# Altium PCB FIT_TDC_ADC.PcbDoc (part 1 of 10) (continued)
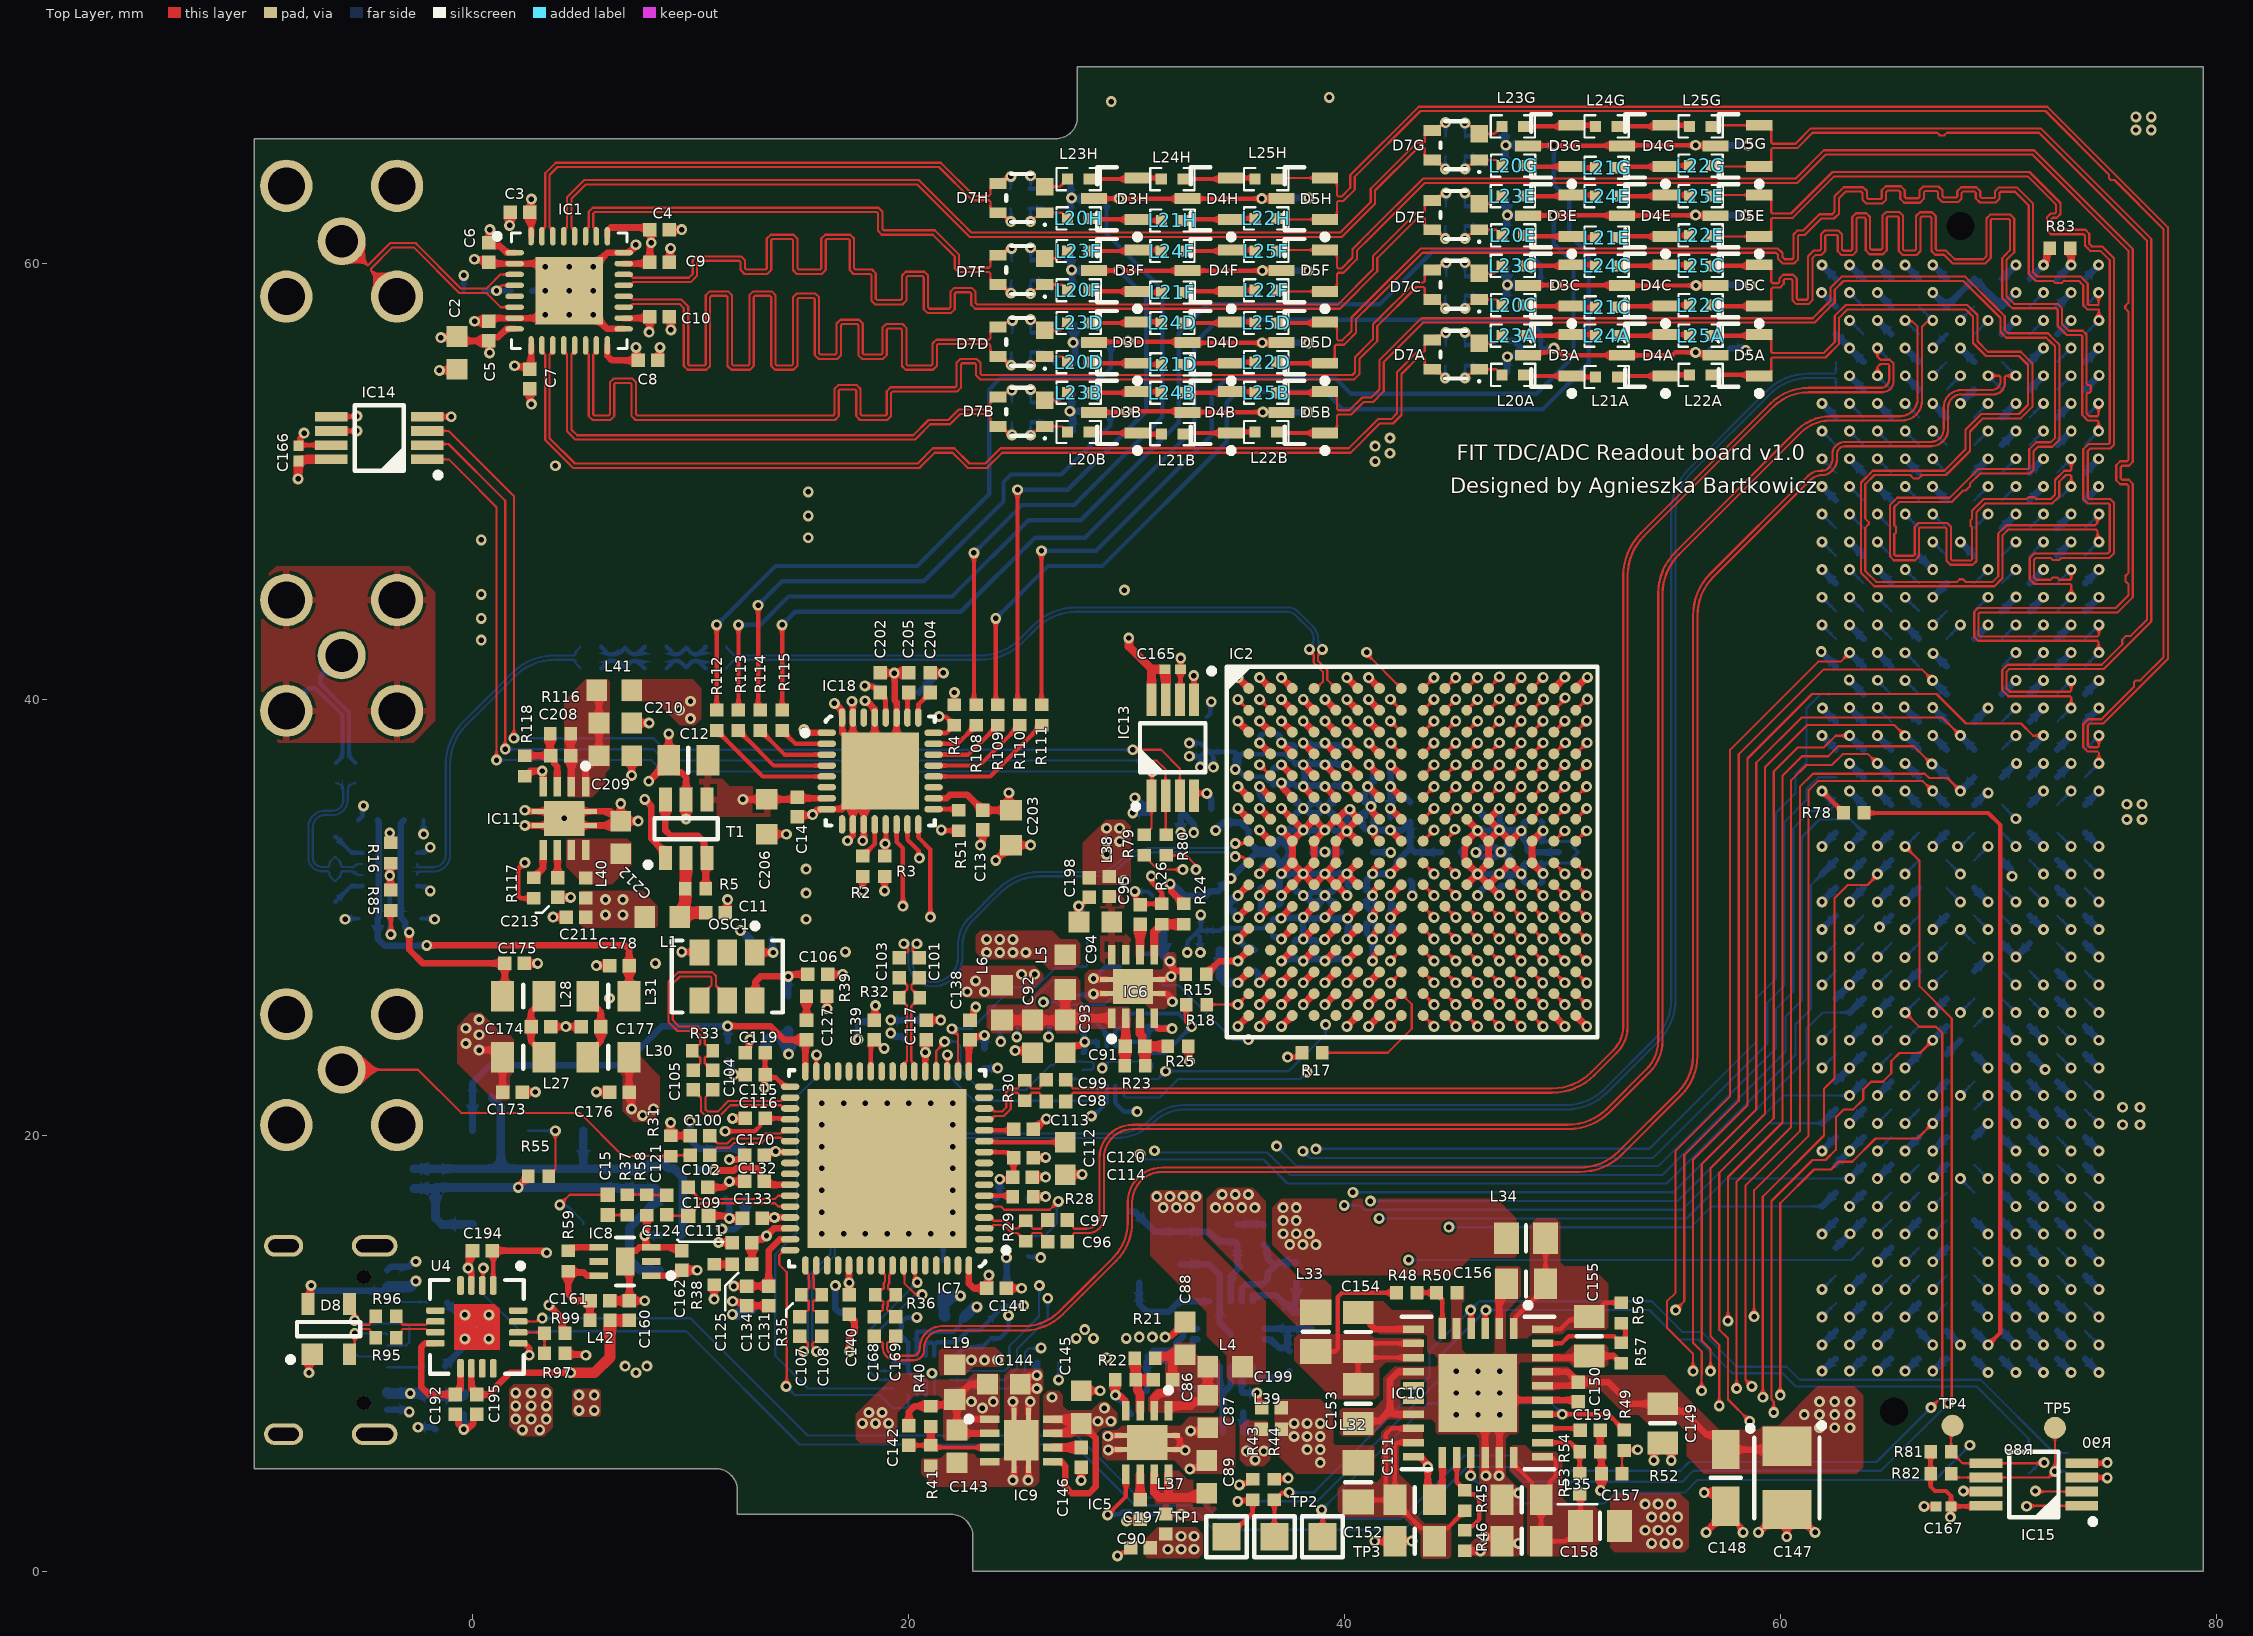
[diagram p0: Top Layer view]
## Components (designator, comment, footprint, x,y, rotation, side; value= is the part's Value field where it differs from the comment)
C1 "10nF" CAPC1005X55N 0.05,58.729 r180 bottom
C2 "10uF" CAPC1608X90N -0.715,55.874 r90 top
C3 "1uF" CAPC1005X55N 2.185,62.324 r0 top
C4 "100nF" CAPC1005X55N 8.585,61.524 r180 top
C5 "100nF" CAPC1005X55N 0.735,56.874 r270 top
C6 "100nF" CAPC1005X55N 0.735,60.474 r90 top
C7 "100nF" CAPC1005X55N 2.635,54.674 r90 top
C8 "100nF" CAPC1005X55N 8.05,55.529 r180 top
C9 "100nF" CAPC1005X55N 8.585,60.024 r180 top
C10 "100nF" CAPC1005X55N 8.585,57.524 r180 top
C11 "1uF" CAPC1005X55N 11.15,30.2 r180 top
C12 "22uF" CAPC2012X135N 9.9,37.2 r0 top
C13 "100nF" CAPC1005X55N 23.4,34.45 r90 top
C14 "100nF" CAPC1005X55N 14.9,35.05 r90 top
C15 "33pF" CAPC1005X61N 6.2,16.8 r270 top
C16 "10pF" CAPC1005X55N 7,41.9 r270 bottom
C17 "10pF" CAPC1005X55N 9.8,41.9 r270 bottom
C18 "100nF" CAPC1005X55N -2.795,29.936 r180 bottom
C19 "10nF" CAPC1005X55N -2.695,34.436 r180 bottom
C20 "100nF" CAPC0603X33N 36.57,38.369 r180 bottom
C21 "3.9nF" CAPC1005X55N 37.485,9.624 r270 bottom
C22 "10uF" CAPC1608X90N 32.485,14.824 r90 bottom
C23 "10uF" CAPC1608X90N 33.785,14.824 r90 bottom
C24 "10uF" CAPC1608X90N 31.685,8.374 r0 bottom
C25 "100nF" CAPC1005X55N 37.485,11.574 r90 bottom
C26 "10uF" CAPC1608X90N 32.435,29.274 r0 bottom
C27 "10uF" CAPC1608X90N 33.685,38.424 r270 bottom
C28 "1uF" CAPC1005X55N 34.985,38.024 r270 bottom
C29 "1uF" CAPC1005X55N 34.285,28.924 r90 bottom
C30 "100nF" CAPC0603X33N 39.72,28.519 r90 bottom
C31 "100nF" CAPC0603X33N 40.47,35.569 r180 bottom
C32 "100nF" CAPC0603X33N 38.62,37.419 r270 bottom
C33 "100nF" CAPC0603X33N 38.72,28.519 r90 bottom
C34 "100nF" CAPC0603X33N 36.72,29.519 r90 bottom
C35 "100nF" CAPC0603X33N 39.52,35.719 r90 bottom
C36 "100nF" CAPC0603X33N 37.72,28.519 r90 bottom
C37 "100nF" CAPC0603X33N 39.62,37.419 r270 bottom
C38 "100nF" CAPC0603X33N 40.57,29.569 r180 bottom
C39 "100nF" CAPC0603X33N 38.62,35.719 r90 bottom
C40 "100nF" CAPC0603X33N 37.72,37.419 r270 bottom
C41 "100nF" CAPC0603X33N 38.62,30.219 r270 bottom
C42 "100nF" CAPC0603X33N 39.52,30.219 r270 bottom
C43 "100nF" CAPC0603X33N 36.72,36.419 r270 bottom
C44 "100nF" CAPC0603X33N 37.72,35.719 r90 bottom
C45 "100nF" CAPC0603X33N 36.62,30.569 r0 bottom
C46 "100nF" CAPC0603X33N 39.52,34.319 r270 bottom
C47 "100nF" CAPC0603X33N 36.67,33.569 r0 bottom
C48 "100nF" CAPC0603X33N 40.47,34.569 r180 bottom
C49 "100nF" CAPC0603X33N 38.62,34.319 r270 bottom
C50 "100nF" CAPC0603X33N 36.67,34.369 r0 bottom
C51 "100nF" CAPC0603X33N 36.67,35.369 r0 bottom
C52 "100nF" CAPC0603X33N 37.72,34.319 r270 bottom
C53 "100nF" CAPC0603X33N 40.57,31.369 r180 bottom
C54 "100nF" CAPC0603X33N 39.52,31.619 r90 bottom
C55 "100nF" CAPC0603X33N 36.67,32.369 r0 bottom
C56 "100nF" CAPC0603X33N 40.57,30.569 r180 bottom
C57 "100nF" CAPC0603X33N 38.62,31.619 r90 bottom
C58 "100nF" CAPC0603X33N 36.57,31.369 r0 bottom
C59 "100nF" CAPC0603X33N 37.72,31.619 r90 bottom
C60 "1uF" CAPC1005X55N 38.07,32.969 r180 bottom
C61 "1uF" CAPC1005X55N 34.385,30.874 r135 bottom
C62 "1uF" CAPC1005X55N 34.203,34.656 r315 bottom
C63 "10uF" CAPC1608X90N 31.835,34.774 r0 bottom
C64 "10uF" CAPC1608X90N 31.935,30.974 r0 bottom
C65 "100nF" CAPC0603X33N 48.67,31.569 r180 bottom
C66 "100nF" CAPC0603X33N 48.67,34.369 r180 bottom
C67 "100nF" CAPC0603X33N 46.62,33.619 r90 bottom
C68 "100nF" CAPC0603X33N 46.77,31.369 r0 bottom
C69 "100nF" CAPC0603X33N 48.67,32.469 r180 bottom
C70 "100nF" CAPC0603X33N 47.62,32.319 r270 bottom
C71 "100nF" CAPC0603X33N 47.62,33.619 r90 bottom
C72 "100nF" CAPC0603X33N 48.67,33.469 r180 bottom
C73 "100nF" CAPC0603X33N 46.77,34.569 r0 bottom
C74 "100nF" CAPC0603X33N 46.62,32.319 r270 bottom
C75 "1uF" CAPC1005X55N 44.87,32.969 r0 bottom
C76 "1uF" CAPC1005X55N 50.27,32.969 r180 bottom
C77 "10uF" CAPC1608X90N 43.02,32.419 r270 bottom
C78 "10uF" CAPC1608X90N 40.57,32.969 r0 bottom
C79 "1uF" CAPC1005X55N 43.02,34.819 r90 bottom
C80 "100nF" CAPC0603X33N 41.77,34.569 r0 bottom
C81 "100nF" CAPC0603X33N 41.87,29.569 r0 bottom
C82 "100nF" CAPC0603X33N 41.87,30.569 r0 bottom
C83 "100nF" CAPC0603X33N 41.77,35.569 r0 bottom
C84 "100nF" CAPC0603X33N 41.77,36.369 r0 bottom
C85 "100nF" CAPC0603X33N 41.87,28.569 r0 bottom
C86 "100nF" CAPC1005X55N 31.67,8.769 r0 top
C87 "10uF" CAPC1608X90N 33.72,7.319 r90 top
C88 "10uF" CAPC1608X90N 32.685,10.674 r270 top
C89 "10uF" CAPC1608X90N 33.685,4.324 r270 top
C90 "100nF" CAPC1005X55N 30.62,2.819 r90 top
C91 "100nF" CAPC1005X55N 30.385,24.074 r180 top
C92 "10uF" CAPC1608X90N 25.685,24.524 r90 top
C93 "10uF" CAPC1608X90N 27.185,24.524 r90 top
C94 "10uF" CAPC1608X90N 28.57,29.769 r0 top
C95 "100nF" CAPC1005X55N 30.62,30.119 r270 top
C96 "100nF" CAPC1005X55N 26.835,15.104 r0 top
C97 "100nF" CAPC1005X55N 26.835,16.104 r0 top
C98 "100nF" CAPC1005X55N 26.77,21.539 r0 top
C99 "100nF" CAPC1005X55N 26.77,22.539 r0 top
C100 "100nF" CAPC1005X55N 10.435,19.974 r0 top
C101 "100nF" CAPC1005X55N 20.485,27.674 r90 top
C102 "100nF" CAPC1005X55N 10.435,19.074 r0 top
C103 "100nF" CAPC1005X55N 19.585,27.674 r90 top
C104 "100nF" CAPC1005X55N 11.02,22.519 r270 top
C105 "100nF" CAPC1005X55N 10.12,22.519 r270 top
C106 "100nF" CAPC1005X55N 15.835,27.374 r180 top
C107 "100nF" CAPC1005X55N 15.02,11.219 r270 top
C108 "100nF" CAPC1005X55N 16.02,11.219 r270 top
C109 "100nF" CAPC1005X55N 10.35,17.6 r180 top
C110 "100pF" CAPC1005X55N 0.45,21.7 r0 bottom
C111 "12pF" CAPC1005X61N 10.36,16.3 r180 top
C112 "10uF" CAPC1608X90N 27.185,18.924 r90 top
C113 "100nF" CAPC1005X55N 25.27,20.269 r180 top
C114 "100nF" CAPC1005X55N 25.235,18.074 r0 top
C115 "100nF" CAPC1005X55N 12.97,22.769 r180 top
C116 "100nF" CAPC1005X55N 12.97,20.769 r180 top
C117 "1uF" CAPC1005X55N 20.82,24.819 r90 top
C118 "10uF" CAPC1608X90N 24.735,17.074 r0 bottom
C119 "1uF" CAPC1005X55N 12.97,23.769 r180 top
C120 "10nF" CAPC1005X55N 25.27,18.969 r0 top
C121 "100nF" CAPC1005X55N 8.9,16.8 r90 top
C122 "100pF" CAPC1005X55N -1.7,18 r270 bottom
C123 "100nF" CAPC1005X55N -2.7,18 r270 bottom
C124 "47pF" CAPC1005X55N 12.37,15.069 r0 top
C125 "3.9nF" CAPC1005X55N 12.37,14.069 r0 top
C126 "100nF" CAPC1005X55N 11.7,23.85 r90 bottom
C127 "680nF" CAPC1005X55N 15.32,24.819 r270 top
C128 "10uF" CAPC1608X90N 8.7,18 r270 bottom
C129 "1uF" CAPC1005X55N 12.07,17.069 r0 bottom
C130 "100nF" CAPC1005X55N 19.82,24.819 r90 bottom
C131 "10nF" CAPC1005X55N 13.585,12.624 r90 top
C132 "1uF" CAPC1005X55N 12.935,17.874 r0 top
C133 "1uF" CAPC1005X55N 12.835,16.174 r0 top
C134 "1uF" CAPC1005X55N 12.585,12.624 r90 top
C135 "2.2nF" CAPC1005X55N 6.7,18 r270 bottom
C136 "82pF" CAPC1005X55N 7.7,18 r270 bottom
C137 "10uF" CAPC1608X90N 21.585,13.474 r270 bottom
C138 "1uF" CAPC1005X55N 22.82,24.819 r270 top
C139 "1uF" CAPC1005X55N 18.42,24.819 r270 top
C140 "1uF" CAPC1005X55N 17.285,12.224 r90 top
C141 "1uF" CAPC1005X55N 24.035,12.974 r180 top
C142 "100nF" CAPC1005X55N 20.02,6.219 r90 top
C143 "10uF" CAPC1608X90N 22.22,5.719 r90 top
C144 "10uF" CAPC1608X90N 24.37,8.569 r180 top
C145 "10uF" CAPC1608X90N 27.92,7.519 r270 top
C146 "100nF" CAPC1005X55N 27.92,5.219 r90 top
C147 "33uF" CAPMP3528X210N 60.285,4.274 r270 top
C148 "10uF" CAPMP3216X180N 57.485,4.274 r270 top
C149 "22uF" CAPC2012X135N 54.585,6.774 r90 top
C150 "100nF" CAPC1005X55N 50.72,8.219 r90 top
C151 "22uF" CAPC2012X135N 43.22,3.269 r180 top
C152 "22uF" CAPC2012X135N 43.22,1.369 r0 top
C153 "22uF" CAPC2012X135N 40.62,7.669 r90 top
C154 "22uF" CAPC2012X135N 40.62,10.969 r270 top
C155 "22uF" CAPC2012X135N 51.22,10.769 r90 top
C156 "22uF" CAPC2012X135N 48.32,13.169 r0 top
C157 "22uF" CAPC2012X135N 48.12,3.269 r0 top
C158 "22uF" CAPC2012X135N 48.12,1.369 r0 top
C159 "1uF" CAPC1005X55N 51.27,6.469 r180 top
C160 "1uF" CAPC1005X55N 7.2,11.95 r270 top
C161 "1uF" CAPC1005X55N 5.85,12.4 r180 top
C162 "1uF" CAPC1005X55N 9.6,14.25 r270 top
C165 "100nF" CAPC0603X33N 32.12,41.369 r0 top
C166 "100nF" CAPC0603X33N -7.98,51.269 r90 top
C167 "100nF" CAPC0603X33N 67.47,2.969 r180 top
C168 "100nF" CAPC1005X55N 18.42,11.219 r270 top
C169 "100nF" CAPC1005X55N 19.42,11.219 r270 top
C170 "1uF" CAPC1005X55N 12.935,19.074 r0 top
C171 "100nF" CAPC1005X55N -4.795,29.936 r0 bottom
C172 "10nF" CAPC1005X55N -4.795,34.436 r0 bottom
C173 "1uF" CAPC1005X55N 1.835,21.974 r180 top
C174 "1uF" CAPC1005X55N 3.135,24.974 r180 top
C175 "1uF" CAPC1005X55N 1.935,27.874 r180 top
C176 "1uF" CAPC1005X55N 6.735,21.974 r0 top
C177 "1uF" CAPC1005X55N 5.435,24.974 r0 top
C178 "1uF" CAPC1005X55N 6.735,27.774 r0 top
C179 "10pF" CAPC1005X55N 36.285,15.424 r90 bottom
C180 "100nF" CAPC1005X55N 34.885,8.174 r180 bottom
C181 "100nF" CAPC1005X55N 38.485,11.574 r90 bottom
C182 "10nF" CAPC1005X55N 28.185,29.324 r270 bottom
C183 "100nF" CAPC1005X55N 19.935,10.974 r0 bottom
C184 "100nF" CAPC1005X55N 28.335,24.974 r0 bottom
C185 "100nF" CAPC1005X55N 30.535,24.974 r180 bottom
C186 "100nF" CAPC1005X55N 23.585,10.924 r90 bottom
C187 "10nF" CAPC1005X55N 31.135,26.274 r180 bottom
C188A "10nF" CAPC1005X55N 48.55,56.1 r0 bottom (schematic designator C188)
C188B "10nF" CAPC1005X55N 28.8,53.2 r0 bottom (schematic designator C188)
C188C "10nF" CAPC1005X55N 48.55,59 r0 bottom (schematic designator C188)
C188D "10nF" CAPC1005X55N 28.834,56.387 r0 bottom (schematic designator C188)
C188E "10nF" CAPC1005X55N 48.55,62.2 r0 bottom (schematic designator C188)
C188F "10nF" CAPC1005X55N 28.63,59.65 r0 bottom (schematic designator C188)
C188G "10nF" CAPC1005X55N 48.55,65.4 r0 bottom (schematic designator C188)
C188H "10nF" CAPC1005X55N 28.63,62.95 r0 bottom (schematic designator C188)
C189A "10nF" CAPC1005X55N 57.25,56.1 r180 bottom (schematic designator C189)
C189B "10nF" CAPC1005X55N 37.308,53.15 r180 bottom (schematic designator C189)
C189C "10nF" CAPC1005X55N 57.25,59 r180 bottom (schematic designator C189)
C189D "10nF" CAPC1005X55N 37.308,56.35 r180 bottom (schematic designator C189)
C189E "10nF" CAPC1005X55N 57.25,62.2 r180 bottom (schematic designator C189)
C189F "10nF" CAPC1005X55N 37.308,59.639 r180 bottom (schematic designator C189)
C189G "10nF" CAPC1005X55N 57.25,65.4 r180 bottom (schematic designator C189)
C189H "10nF" CAPC1005X55N 37.33,62.981 r180 bottom (schematic designator C189)
C190A "1nF" CAPC1005X55N 45.1,55.3 r0 bottom (schematic designator C190)
C190B "1nF" CAPC1005X55N 25.2,52.7 r0 bottom (schematic designator C190)
C190C "1nF" CAPC1005X55N 45.1,58.5 r0 bottom (schematic designator C190)
C190D "1nF" CAPC1005X55N 25.2,55.9 r0 bottom (schematic designator C190)
C190E "1nF" CAPC1005X55N 45.1,61.7 r0 bottom (schematic designator C190)
C190F "1nF" CAPC1005X55N 25.2,59.2 r0 bottom (schematic designator C190)
C190G "1nF" CAPC1005X55N 45.1,64.9 r0 bottom (schematic designator C190)
C190H "1nF" CAPC1005X55N 25.1,62.5 r0 bottom (schematic designator C190)
C191A "1nF" CAPC1005X55N 45.1,56.2 r0 bottom (schematic designator C191)
C191B "1nF" CAPC1005X55N 25.2,53.6 r0 bottom (schematic designator C191)
C191C "1nF" CAPC1005X55N 45.1,59.4 r0 bottom (schematic designator C191)
C191D "1nF" CAPC1005X55N 25.2,56.8 r0 bottom (schematic designator C191)
C191E "1nF" CAPC1005X55N 45.1,62.6 r0 bottom (schematic designator C191)
C191F "1nF" CAPC1005X55N 25.2,60.1 r0 bottom (schematic designator C191)
C191G "1nF" CAPC1005X55N 45.1,65.8 r0 bottom (schematic designator C191)
C191H "1nF" CAPC1005X55N 25.1,63.4 r0 bottom (schematic designator C191)
C192 "100nF" CAPC1005X55N -0.8,7.65 r90 top
C193 "100nF" CAPC1005X55N -0.4,7.65 r90 bottom
C194 "100nF" CAPC1005X55N 0.45,14.7 r0 top
C195 "100nF" CAPC1005X55N 0.2,7.65 r90 top
C196 "1uF" CAPC1005X55N 30.65,7.2 r0 bottom
C197 "1uF" CAPC1005X55N 30.635,1.074 r0 top
C198 "1uF" CAPC1005X55N 28.3,31.35 r90 top
C199 "1uF" CAPC1005X55N 36.65,7.5 r0 top
C200 "10uF" CAPC1608X90N -1.7,7.25 r90 bottom
C201 "1uF" CAPC1608X87N 19.7,40.3 r180 bottom
C202 "100nF" CAPC1005X55N 18.7,40.75 r270 top
C203 "1uF" CAPC1608X87N 24.7,34.1 r90 top
C204 "100nF" CAPC1005X55N 21,40.75 r270 top
C205 "100nF" CAPC1005X55N 20,40.75 r270 top
C206 "1uF" CAPC1608X87N 13.5,34.6 r90 top
C208 "100nF" CAPC1005X55N 4.05,37.4 r0 top
C209 "10uF" CAPC1608X90N 6.55,37.4 r180 top
C210 "10uF" CAPC1608X90N 6.55,38.9 r180 top
C211 "1uF" CAPC1005X55N 4.75,30 r0 top
C212 "10uF" CAPC1608X90N 6.8,33.65 r270 top
C213 "100nF" CAPC1005X55N 3.9,31.35 r90 top
D3A "SMV1213-004LF" SOT23 49.42,55.769 r180 top (schematic designator D3)
D3B "SMV1213-004LF" SOT23 29.5,53.15 r180 top (schematic designator D3)
D3C "SMV1213-004LF" SOT23 49.42,58.969 r180 top (schematic designator D3)
D3D "SMV1213-004LF" SOT23 29.5,56.35 r180 top (schematic designator D3)
D3E "SMV1213-004LF" SOT23 49.42,62.169 r180 top (schematic designator D3)
D3F "SMV1213-004LF" SOT23 29.5,59.65 r180 top (schematic designator D3)
D3G "SMV1213-004LF" SOT23 49.42,65.369 r180 top (schematic designator D3)
D3H "SMV1213-004LF" SOT23 29.5,62.95 r180 top (schematic designator D3)
D4A "SMV1213-004LF" SOT23 53.72,55.769 r180 top (schematic designator D4)
D4B "SMV1213-004LF" SOT23 33.8,53.15 r180 top (schematic designator D4)
D4C "SMV1213-004LF" SOT23 53.72,58.969 r180 top (schematic designator D4)
D4D "SMV1213-004LF" SOT23 33.8,56.35 r180 top (schematic designator D4)
D4E "SMV1213-004LF" SOT23 53.72,62.169 r180 top (schematic designator D4)
D4F "SMV1213-004LF" SOT23 33.8,59.65 r180 top (schematic designator D4)
D4G "SMV1213-004LF" SOT23 53.72,65.369 r180 top (schematic designator D4)
D4H "SMV1213-004LF" SOT23 33.8,62.95 r180 top (schematic designator D4)
D5A "SMV1213-004LF" SOT23 58.02,55.769 r180 top (schematic designator D5)
D5B "SMV1213-004LF" SOT23 38.1,53.15 r180 top (schematic designator D5)
D5C "SMV1213-004LF" SOT23 58.02,58.969 r180 top (schematic designator D5)
D5D "SMV1213-004LF" SOT23 38.1,56.35 r180 top (schematic designator D5)
D5E "SMV1213-004LF" SOT23 58.02,62.169 r180 top (schematic designator D5)
D5F "SMV1213-004LF" SOT23 38.1,59.65 r180 top (schematic designator D5)
D5G "SMV1213-004LF" SOT23 58.02,65.369 r180 top (schematic designator D5)
D5H "SMV1213-004LF" SOT23 38.1,62.95 r180 top (schematic designator D5)
D6 "MBR140SFT1G" SOD-123FL 30.185,14.874 r90 bottom
D7A "BAS70-07W" SOT135P210X100-4N 45.1,55.8 r180 top (schematic designator D7)
D7B "BAS70-07W" SOT135P210X100-4N 25.18,53.181 r180 top (schematic designator D7)
D7C "BAS70-07W" SOT135P210X100-4N 45.1,59 r180 top (schematic designator D7)
D7D "BAS70-07W" SOT135P210X100-4N 25.18,56.381 r180 top (schematic designator D7)
D7E "BAS70-07W" SOT135P210X100-4N 45.1,62.2 r180 top (schematic designator D7)
D7F "BAS70-07W" SOT135P210X100-4N 25.18,59.681 r180 top (schematic designator D7)
D7G "BAS70-07W" SOT135P210X100-4N 45.1,65.4 r180 top (schematic designator D7)
D7H "BAS70-07W" SOT135P210X100-4N 25.18,62.981 r180 top (schematic designator D7)
D8 "PRTR5V0U2X" SOT190P230X110-4N -6.6,11.1 r90 top
IC1 "SY58033UMG" QFN50P500X500X90_HS-33N 4.435,58.724 r0 top
IC2 "ADC12DL2500ACF" BGA256C100P16X16_1700X1700X331 43.104,32.985 r0 top locked
IC3 "LMH5401IRMS" QFN50P250X250X60-14N -3.795,32.186 r90 bottom
IC4 "TPS63700DRC" "TEXAS_DRC (S-PVSON-N10)" 34.785,10.874 r90 bottom
IC5 "TPS7A8101DRB" TEXAS_DRB(S-PVSON-N8) 30.947,5.898 r270 top
IC6 "TPS7A8101DRB" TEXAS_DRB(S-PVSON-N8) 30.293,26.813 r90 top
IC7 "LMK04828BISQ/NOPB" QFN50P900X900X80-65N-S730 19.02,18.469 r180 top
IC8 "LP5900SD-3.3" SON65P250X220X80-7N-R85X130 7,14.2 r180 top
IC9 "TPS7A8101DRB" TEXAS_DRB(S-PVSON-N8) 25.17,5.994 r0 top
IC10 "MPM54304GMN-0001" MPS_MPM54304GMN 46.12,8.169 r270 top
IC11 "TPS7A8101DRB" TEXAS_DRB(S-PVSON-N8) 4.213,34.525 r270 top
IC13 "LM75AIMM/NOPB" SOP65P490X109-8N 32.12,37.769 r90 top
IC14 "LM75AIMM/NOPB" SOP65P490X109-8N -4.28,51.969 r180 top
IC15 "24AA64T-I/MS" SOP65P490X110-8N 71.62,3.969 r180 top
IC16 "SN74AVC4T245RSVR" QFN40P180X260X55-16N 29.285,23.174 r270 bottom locked
IC17 "SN74AVC4T245RSVR" QFN40P180X260X55-16N 20.585,8.974 r270 bottom
IC18 "LTC2666CUH-16" QFN50P500X500X80-33N-S355 18.7,36.7 r0 top locked
J1 "SMA" SAMTEC_SMA-J-P-H-RA-TH1 -6,42 r180 bottom
J2 "SMA" SAMTEC_SMA-J-P-H-RA-TH1 -6,23 r180 bottom
J3 "SMA" SAMTEC_SMA-J-P-H-RA-TH1 -6,61 r180 bottom
J4 "VITA 57" SAMTEC_ASP-134488-01 68.25,34.509 r90 bottom locked
J5 "USB4105-GF-A" FP-USB4105-GF-A-MFG -7.5,10.6 r90 bottom locked
L1 "1000R@100MHz" INDC1608X95N 8.7,30 r0 top
L2 "47nH" IND_MURATA_LQW15AN_00 8.4,41.4 r0 bottom
L3 "47nH" IND_MURATA_LQW15AN_00 8.4,42.4 r0 bottom
L4 "1000R@100MHz" INDC1608X95N 34.52,9.369 r0 top
L5 "1000R@100MHz" INDC1608X95N 27.185,27.474 r90 top
L6 "1000R@100MHz" INDC1608X95N 24.285,26.074 r90 top
L7 "1000R@100MHz" INDC1608X95N 14.485,25.574 r90 bottom
L8 "120R@100MHz" INDC1005X55N 20.82,24.829 r270 bottom
L9 "120R@100MHz" INDC1005X55N 13.385,23.234 r270 bottom
L10 "120R@100MHz" INDC1005X55N 12.96,19.269 r0 bottom
L11 "120R@100MHz" INDC1005X55N 10.385,18.914 r270 bottom
L12 "120R@100MHz" INDC1005X55N 12.96,16.169 r0 bottom
L13 "120R@100MHz" INDC1005X55N 12.82,12.509 r90 bottom
L14 "120R@100MHz" INDC1005X55N 22.125,11.674 r180 bottom
L15 "120R@100MHz" INDC1005X55N 23.485,23.514 r90 bottom
L16 "120R@100MHz" INDC1005X55N 18.42,24.829 r270 bottom
L17 "120R@100MHz" INDC1005X55N 17.285,12.174 r90 bottom
L18 "120R@100MHz" INDC1005X55N 24.045,12.974 r180 bottom
L19 "1000R@100MHz" INDC1608X95N 22.12,8.669 r90 top
L20A "10nH 2%" R0402 47.728,54.869 r0 top (schematic designator L20)
L20B "10nH 2%" R0402 27.808,52.25 r0 top (schematic designator L20)
L20C "10nH 2%" R0402 47.728,58.069 r0 top (schematic designator L20)
L20D "10nH 2%" R0402 27.808,55.45 r0 top (schematic designator L20)
L20E "10nH 2%" R0402 47.728,61.269 r0 top (schematic designator L20)
L20F "10nH 2%" R0402 27.808,58.75 r0 top (schematic designator L20)
L20G "10nH 2%" R0402 47.728,64.469 r0 top (schematic designator L20)
L20H "10nH 2%" R0402 27.808,62.05 r0 top (schematic designator L20)
L21A "10nH 2%" R0402 52.028,54.769 r0 top (schematic designator L21)
L21B "10nH 2%" R0402 32.108,52.15 r0 top (schematic designator L21)
L21C "10nH 2%" R0402 52.028,57.969 r0 top (schematic designator L21)
L21D "10nH 2%" R0402 32.108,55.35 r0 top (schematic designator L21)
L21E "10nH 2%" R0402 52.028,61.169 r0 top (schematic designator L21)
L21F "10nH 2%" R0402 32.108,58.65 r0 top (schematic designator L21)
L21G "10nH 2%" R0402 52.028,64.369 r0 top (schematic designator L21)
L21H "10nH 2%" R0402 32.108,61.95 r0 top (schematic designator L21)
L22A "10nH 2%" R0402 56.328,54.869 r0 top (schematic designator L22)
L22B "10nH 2%" R0402 36.408,52.25 r0 top (schematic designator L22)
L22C "10nH 2%" R0402 56.328,58.069 r0 top (schematic designator L22)
L22D "10nH 2%" R0402 36.408,55.45 r0 top (schematic designator L22)
L22E "10nH 2%" R0402 56.328,61.269 r0 top (schematic designator L22)
L22F "10nH 2%" R0402 36.408,58.75 r0 top (schematic designator L22)
L22G "10nH 2%" R0402 56.328,64.469 r0 top (schematic designator L22)
L22H "10nH 2%" R0402 36.408,62.05 r0 top (schematic designator L22)
L23A "10nH 2%" R0402 47.72,56.669 r0 top (schematic designator L23)
L23B "10nH 2%" R0402 27.8,54.05 r0 top (schematic designator L23)
L23C "10nH 2%" R0402 47.72,59.869 r0 top (schematic designator L23)
L23D "10nH 2%" R0402 27.8,57.25 r0 top (schematic designator L23)
L23E "10nH 2%" R0402 47.72,63.069 r0 top (schematic designator L23)
L23F "10nH 2%" R0402 27.8,60.55 r0 top (schematic designator L23)
L23G "10nH 2%" R0402 47.72,66.269 r0 top (schematic designator L23)
L23H "10nH 2%" R0402 27.8,63.85 r0 top (schematic designator L23)
L24A "10nH 2%" R0402 52.02,56.669 r0 top (schematic designator L24)
L24B "10nH 2%" R0402 32.1,54.05 r0 top (schematic designator L24)
L24C "10nH 2%" R0402 52.02,59.869 r0 top (schematic designator L24)
L24D "10nH 2%" R0402 32.1,57.25 r0 top (schematic designator L24)
L24E "10nH 2%" R0402 52.02,63.069 r0 top (schematic designator L24)
L24F "10nH 2%" R0402 32.1,60.55 r0 top (schematic designator L24)
L24G "10nH 2%" R0402 52.02,66.269 r0 top (schematic designator L24)
L24H "10nH 2%" R0402 32.1,63.85 r0 top (schematic designator L24)
L25A "10nH 2%" R0402 56.328,56.669 r0 top (schematic designator L25)
L25B "10nH 2%" R0402 36.408,54.05 r0 top (schematic designator L25)
L25C "10nH 2%" R0402 56.328,59.869 r0 top (schematic designator L25)
L25D "10nH 2%" R0402 36.408,57.25 r0 top (schematic designator L25)
L25E "10nH 2%" R0402 56.328,63.069 r0 top (schematic designator L25)
L25F "10nH 2%" R0402 36.408,60.55 r0 top (schematic designator L25)
L25G "10nH 2%" R0402 56.328,66.269 r0 top (schematic designator L25)
L25H "10nH 2%" R0402 36.408,63.85 r0 top (schematic designator L25)
L26 "120R@100MHz" INDC1005X55N 9.1,15.4 r180 bottom
L27 "1uH" INDC2012X110N 2.335,23.574 r0 top
L28 "1uH" INDC2012X110N 2.335,26.374 r180 top
L29 "4.7uH" IND_COILCRAFT_EPL3015 30.985,10.874 r270 bottom
L30 "1uH" INDC2012X110N 6.235,23.574 r180 top
L31 "1uH" INDC2012X110N 6.235,26.374 r0 top
L32 "180R@100MHz" INDC2012X105N 40.62,4.069 r90 top
L33 "180R@100MHz" INDC2012X105N 38.685,10.974 r90 top
L34 "180R@100MHz" INDC2012X105N 48.32,15.269 r180 top
L35 "180R@100MHz" INDC2012X105N 51.72,2.069 r0 top
L36 "120R@100MHz" INDC1005X55N 32.46,7.2 r0 bottom
L37 "120R@100MHz" INDC1005X55N 31.8,2.16 r90 top
L38 "120R@100MHz" INDC1005X55N 29.2,31.4 r270 top
L39 "120R@100MHz" INDC1005X55N 36.64,6.5 r180 top
L40 "120R@100MHz" INDC1005X55N 5.2,31.34 r90 top
L41 "1000R@100MHz" INDC1608X95N 6.5,40.4 r0 top
L42 "120R@100MHz" INDC1005X55N 5.84,11.5 r180 top
L43 "120R@100MHz" INDC1005X55N 9.04,13.8 r180 bottom
OSC1 "125MHz" OSC_SI-TIME_SIT9121-C 11.685,27.274 r270 top
OSC2 "122.880MHZ" OSCSC254P500X700X190-6N 2.54,18.05 r270 bottom
R1 "15" RESC1005X40N 2.27,58.729 r180 bottom
R2 "10k" RESC1005X40N 17.9,32.33 r270 top
R3 "10k" RESC1005X40N 18.9,32.33 r270 top
R4 "10k" RESC1005X40N 22.1,39.27 r90 top
R5 "10k" RESC1005X40N 10.23,31.3 r180 top
R6 "75" RESC1005X40N -6.3,31.18 r90 bottom
R7 "20" RESC1005X40N 11.17,41.4 r0 bottom
R8 "49R9" RESC1005X40N -6.264,36.615 r270 bottom
R9 "20" RESC1005X40N 5.43,41.401 r0 bottom
R10 "20" RESC1005X40N 5.43,42.401 r0 bottom
R11 "49R9" RESC1005X40N -5.364,36.615 r270 bottom
R12 "20" RESC1005X40N 11.17,42.4 r0 bottom
R13 "75" RESC1005X40N -6.3,33.22 r270 bottom
R14 "49R9" RESC1005X40N 35.885,28.004 r90 bottom
R15 "49R9" RESC1005X40N 33.185,27.374 r0 top
R16 "10k" RESC1005X40N -3.745,32.936 r90 top
R17 "10k" RESC1005X40N 38.515,23.774 r0 top
R18 "10k" RESC1005X40N 33.215,25.974 r0 top
R19 "10k" RESC1005X40N 37.785,13.704 r90 bottom
R20 "20k5" RESC1608X55N 35.985,13.974 r0 bottom
R21 "2K49" RESC1005X40N 30.85,9.769 r0 top
R22 "1k8" RESC1005X40N 29.95,8.769 r0 top
R23 "7k5" RESC1005X40N 30.385,23.174 r180 top
R24 "10k" RESC1005X40N 32.62,30.139 r270 top
R25 "20k" RESC1005X40N 32.355,24.074 r180 top
R26 "20k" RESC1005X40N 31.62,30.139 r270 top
R27 "470" RESC1005X40N 26.885,22.974 r90 bottom
R28 "49R9" RESC1005X40N 25.255,17.174 r180 top
R29 "560" RESC1005X40N 25.385,15.604 r90 top
R30 "560" RESC1005X40N 25.32,22.039 r90 top
R31 "49R9" RESC1005X40N 9.085,19.504 r270 top
R32 "560" RESC1005X40N 20.05,26.309 r180 top
R33 "100" RESC1005X40N 10.55,23.869 r0 top
R34 "10k" RESC1005X40N 13.255,28.974 r0 bottom
R35 "560" RESC1005X40N 15.55,12.669 r0 top
R36 "560" RESC1005X40N 18.95,12.669 r0 top
R37 "100" RESC1005X40N 7.1,16.8 r90 top
R38 "620" RESC1005X40N 11.085,13.604 r90 top
R39 "39k" RESC1005X40N 15.79,26.369 r180 top
R40 "5k6" RESC1005X40N 21.02,7.099 r90 top
R41 "1k8" RESC1005X40N 21.02,5.299 r90 top
R42A "20" RESC1005X40N 46.97,55 r180 bottom (schematic designator R42)
R42B "20" RESC1005X40N 27.07,52.3 r180 bottom (schematic designator R42)
R42C "20" RESC1005X40N 46.97,58.2 r180 bottom (schematic designator R42)
R42D "20" RESC1005X40N 27.17,55.4 r180 bottom (schematic designator R42)
R42E "20" RESC1005X40N 46.97,61.4 r180 bottom (schematic designator R42)
R42F "20" RESC1005X40N 27.03,58.8 r180 bottom (schematic designator R42)
R42G "20" RESC1005X40N 46.9,64.5 r180 bottom (schematic designator R42)
R42H "20" RESC1005X40N 26.93,62.2 r180 bottom (schematic designator R42)
R43 "68k" RESC1005X40N 35.785,3.744 r90 top
R44 "68k" RESC1005X40N 36.785,3.744 r90 top
R45 "56k" RESC1005X40N 45.52,3.239 r270 top
R46 "10k" RESC1005X40N 45.52,1.399 r90 top
R47A "20" RESC1005X40N 46.87,56.6 r180 bottom (schematic designator R47)
R47B "20" RESC1005X40N 27.07,54 r180 bottom (schematic designator R47)
R47C "20" RESC1005X40N 46.97,59.8 r180 bottom (schematic designator R47)
R47D "20" RESC1005X40N 27.13,57.2 r180 bottom (schematic designator R47)
R47E "20" RESC1005X40N 46.97,63 r180 bottom (schematic designator R47)
R47F "20" RESC1005X40N 26.97,60.5 r180 bottom (schematic designator R47)
R47G "20" RESC1005X40N 46.87,66.2 r180 bottom (schematic designator R47)
R47H "20" RESC1005X40N 26.93,63.7 r180 bottom (schematic designator R47)
R48 "24k" RESC1005X40N 42.85,12.769 r180 top
R49 "15k" RESC1005X40N 52.82,5.999 r90 top
R50 "7k5" RESC1005X40N 44.69,12.769 r180 top
R51 "10k" RESC1005X40N 22.3,34.43 r270 top
R52 "68k" RESC1005X40N 52.255,4.474 r0 top
R53 "15k" RESC1005X40N 50.785,4.004 r270 top
R54 "7k5" RESC1005X40N 51.255,5.474 r180 top
R55 "10k" RESC1005X40N 3.03,18.1 r180 top
R56 "15k" RESC1005X40N 52.685,11.844 r90 top
R57 "7k5" RESC1005X40N 52.685,10.004 r90 top
R58 "49R9" RESC1005X40N 8,16.8 r90 top
R59 "39k" RESC1005X40N 4.4,14.23 r270 top
R78 "10k" RESC1005X40N 63.355,34.774 r0 top
R79 "0" RESC1005X40N 30.82,33.299 r270 top
R80 "0" RESC1005X40N 31.82,33.299 r270 top
R81 "10k" RESC1005X40N 67.35,5.469 r180 top
R82 "10k" RESC1005X40N 67.35,4.469 r180 top
R83 "10k" RESC1005X40N 72.815,60.674 r180 top
R85 "0" RESC1005X40N -3.74,30.771 r270 top
R86 "20" RESC1005X40N 34.885,6.374 r0 bottom
R87 "100k" RESC1005X40N 35.085,15.444 r270 bottom
R88 "20" RESC1005X40N 34.885,7.274 r0 bottom
R89 "0" RESC1005X40N 71.385,4.944 r270 bottom
R90 "0" RESC1005X40N 73.185,4.944 r270 bottom
R91 "10k" RESC1005X40N 24.185,25.704 r270 bottom
R92 "10k" RESC1005X40N 25.485,14.904 r270 bottom
R93 "10k" RESC1005X40N 26.385,9.574 r0 bottom
R94 "10k" RESC1005X40N 30.785,27.844 r270 bottom
R95 "20" RESC1005X40N -3.97,10.7 r180 top
R96 "20" RESC1005X40N -3.97,11.7 r180 top
R97 "17k8" RESC1005X40N 3.77,10 r180 top
R98 "5k1" RESC1005X40N -1.73,9.4 r0 bottom
R99 "10k" RESC1005X40N 3.77,10.9 r180 top
R100 "5k1" RESC1005X40N -1.63,12.3 r0 bottom
R108 "1k" RESC1005X40N 23.1,39.27 r90 top
R109 "1k" RESC1005X40N 24.1,39.27 r90 top
R110 "1k" RESC1005X40N 25.1,39.27 r90 top
R111 "1k" RESC1005X40N 26.1,39.27 r90 top
R112 "1k" RESC1005X40N 11.2,39.03 r90 top
R113 "1k" RESC1005X40N 12.2,39.03 r90 top
R114 "1k" RESC1005X40N 13.2,39.03 r90 top
R115 "1k" RESC1005X40N 14.2,39.03 r90 top
R116 "9k31" RESC1005X40N 4.03,38.4 r0 top
R117 "1k" RESC1005X40N 2.8,31.33 r90 top
R118 "1k8" RESC1005X40N 2.4,36.93 r90 top
T1 "FDC6321C" SOT95P280X110-6N 9.8,34.05 r90 top
T2 "PMGD280UN" SOT65P210X110-6N 28.585,27.074 r180 bottom
TP1 "Test Point" TPS127 34.585,1.574 r0 top
TP2 "Test Point" TPS127 36.785,1.574 r0 top
TP3 "Test Point" TPS127 38.985,1.574 r0 top
TP4 "SMD Pad" C100 67.885,6.674 r90 top
TP5 "SMD Pad" C100 72.585,6.574 r90 top
U4 "FT230XQ-T" QFN50P400X400X80_HS-17N 0.2,11.2 r270 top

## Footprints (in the part's own frame and the unit in brackets; to place one, negate y for a bottom-side part, rotate by r counter-clockwise, add the part's x,y. Pads: shape width x height; smd on the part's side, far side on the other; paste and mask are expansions set on the pad)
BGA256C100P16X16_1700X1700X331 [mm] "BGA 1mm, Pitch, Square 256 Pin, 16 Columns x 16 Rows, Body 17mm X 17mm X 3.31mm H"
  round 0.5 smd: A1(-7.5,7.5) A2(-6.5,7.5) A3(-5.5,7.5) A4(-4.5,7.5) A5(-3.5,7.5) A6(-2.5,7.5) A7(-1.5,7.5) A8(-0.5,7.5) A9(0.5,7.5) A10(1.5,7.5) A11(2.5,7.5) A12(3.5,7.5) A13(4.5,7.5) A14(5.5,7.5) A15(6.5,7.5) A16(7.5,7.5) B1(-7.5,6.5) B2(-6.5,6.5) B3(-5.5,6.5) B4(-4.5,6.5) B5(-3.5,6.5) B6(-2.5,6.5) B7(-1.5,6.5) B8(-0.5,6.5) B9(0.5,6.5) B10(1.5,6.5) B11(2.5,6.5) B12(3.5,6.5) B13(4.5,6.5) B14(5.5,6.5) B15(6.5,6.5) B16(7.5,6.5) C1(-7.5,5.5) C2(-6.5,5.5) C3(-5.5,5.5) C4(-4.5,5.5) C5(-3.5,5.5) C6(-2.5,5.5) C7(-1.5,5.5) C8(-0.5,5.5) C9(0.5,5.5) C10(1.5,5.5) C11(2.5,5.5) C12(3.5,5.5) C13(4.5,5.5) C14(5.5,5.5) C15(6.5,5.5) C16(7.5,5.5) D1(-7.5,4.5) D2(-6.5,4.5) D3(-5.5,4.5) D4(-4.5,4.5) D5(-3.5,4.5) D6(-2.5,4.5) D7(-1.5,4.5) D8(-0.5,4.5) D9(0.5,4.5) D10(1.5,4.5) D11(2.5,4.5) D12(3.5,4.5) D13(4.5,4.5) D14(5.5,4.5) D15(6.5,4.5) D16(7.5,4.5) E1(-7.5,3.5) E2(-6.5,3.5) E3(-5.5,3.5) E4(-4.5,3.5) E5(-3.5,3.5) E6(-2.5,3.5) E7(-1.5,3.5) E8(-0.5,3.5) E9(0.5,3.5) E10(1.5,3.5) E11(2.5,3.5) E12(3.5,3.5) E13(4.5,3.5) E14(5.5,3.5) E15(6.5,3.5) E16(7.5,3.5) F1(-7.5,2.5) F2(-6.5,2.5) F3(-5.5,2.5) F4(-4.5,2.5) F5(-3.5,2.5) F6(-2.5,2.5) F7(-1.5,2.5) F8(-0.5,2.5) F9(0.5,2.5) F10(1.5,2.5) F11(2.5,2.5) F12(3.5,2.5) F13(4.5,2.5) F14(5.5,2.5) F15(6.5,2.5) F16(7.5,2.5) G1(-7.5,1.5) G2(-6.5,1.5) G3(-5.5,1.5) G4(-4.5,1.5) G5(-3.5,1.5) G6(-2.5,1.5) G7(-1.5,1.5) G8(-0.5,1.5) G9(0.5,1.5) G10(1.5,1.5) G11(2.5,1.5) G12(3.5,1.5) G13(4.5,1.5) G14(5.5,1.5) G15(6.5,1.5) G16(7.5,1.5) H1(-7.5,0.5) H2(-6.5,0.5) H3(-5.5,0.5) H4(-4.5,0.5) H5(-3.5,0.5) H6(-2.5,0.5) H7(-1.5,0.5) H8(-0.5,0.5) H9(0.5,0.5) H10(1.5,0.5) H11(2.5,0.5) H12(3.5,0.5) H13(4.5,0.5) H14(5.5,0.5) H15(6.5,0.5) H16(7.5,0.5) J1(-7.5,-0.5) J2(-6.5,-0.5) J3(-5.5,-0.5) J4(-4.5,-0.5) J5(-3.5,-0.5) J6(-2.5,-0.5) J7(-1.5,-0.5) J8(-0.5,-0.5) J9(0.5,-0.5) J10(1.5,-0.5) J11(2.5,-0.5) J12(3.5,-0.5) J13(4.5,-0.5) J14(5.5,-0.5) J15(6.5,-0.5) J16(7.5,-0.5) K1(-7.5,-1.5) K2(-6.5,-1.5) K3(-5.5,-1.5) K4(-4.5,-1.5) K5(-3.5,-1.5) K6(-2.5,-1.5) K7(-1.5,-1.5) K8(-0.5,-1.5) K9(0.5,-1.5) K10(1.5,-1.5) K11(2.5,-1.5) K12(3.5,-1.5) K13(4.5,-1.5) K14(5.5,-1.5) K15(6.5,-1.5) K16(7.5,-1.5) L1(-7.5,-2.5) L2(-6.5,-2.5) L3(-5.5,-2.5) L4(-4.5,-2.5) L5(-3.5,-2.5) L6(-2.5,-2.5) L7(-1.5,-2.5) L8(-0.5,-2.5) L9(0.5,-2.5) L10(1.5,-2.5) L11(2.5,-2.5) L12(3.5,-2.5) L13(4.5,-2.5) L14(5.5,-2.5) L15(6.5,-2.5) L16(7.5,-2.5) M1(-7.5,-3.5) M2(-6.5,-3.5) M3(-5.5,-3.5) M4(-4.5,-3.5) M5(-3.5,-3.5) M6(-2.5,-3.5) M7(-1.5,-3.5) M8(-0.5,-3.5) M9(0.5,-3.5) M10(1.5,-3.5) M11(2.5,-3.5) M12(3.5,-3.5) M13(4.5,-3.5) M14(5.5,-3.5) M15(6.5,-3.5) M16(7.5,-3.5) N1(-7.5,-4.5) N2(-6.5,-4.5) N3(-5.5,-4.5) N4(-4.5,-4.5) N5(-3.5,-4.5) N6(-2.5,-4.5) N7(-1.5,-4.5) N8(-0.5,-4.5) N9(0.5,-4.5) N10(1.5,-4.5) N11(2.5,-4.5) N12(3.5,-4.5) N13(4.5,-4.5) N14(5.5,-4.5) N15(6.5,-4.5) N16(7.5,-4.5) P1(-7.5,-5.5) P2(-6.5,-5.5) P3(-5.5,-5.5) P4(-4.5,-5.5) P5(-3.5,-5.5) P6(-2.5,-5.5) P7(-1.5,-5.5) P8(-0.5,-5.5) P9(0.5,-5.5) P10(1.5,-5.5) P11(2.5,-5.5) P12(3.5,-5.5) P13(4.5,-5.5) P14(5.5,-5.5) P15(6.5,-5.5) P16(7.5,-5.5) R1(-7.5,-6.5) R2(-6.5,-6.5) R3(-5.5,-6.5) R4(-4.5,-6.5) R5(-3.5,-6.5) R6(-2.5,-6.5) R7(-1.5,-6.5) R8(-0.5,-6.5) R9(0.5,-6.5) R10(1.5,-6.5) R11(2.5,-6.5) R12(3.5,-6.5) R13(4.5,-6.5) R14(5.5,-6.5) R15(6.5,-6.5) R16(7.5,-6.5) T1(-7.5,-7.5) T2(-6.5,-7.5) T3(-5.5,-7.5) T4(-4.5,-7.5) T5(-3.5,-7.5) T6(-2.5,-7.5) T7(-1.5,-7.5) T8(-0.5,-7.5) T9(0.5,-7.5) T10(1.5,-7.5) T11(2.5,-7.5) T12(3.5,-7.5) T13(4.5,-7.5) T14(5.5,-7.5) T15(6.5,-7.5) T16(7.5,-7.5)
  silkscreen extent -9.32,-8.5 8.5,8.5, body extent -8.5,-8.5 8.5,8.5, height 3.31
C100 [mm] "1mm Diameter SMD Pad"
  round 1 smd paste-0.5: 1(0,0)
CAPC0603X33N [mm] "Chip Capacitor, Body 0.6x0.30mm, IPC Medium Density"
  rect 0.5x0.45 smd paste-0.025 mask-0.025: 1(-0.35,0) 2(0.35,0)
  body extent -0.31,-0.16 0.32,0.17, height 0.33
CAPC1005X55N [mm] "Capacitor, Non-Polarized, Chip; 1.00mm L X 0.50mm W X 0.70mm H, IPC Medium Density"
  rect 0.62x0.62 smd: 1(-0.45,0) 2(0.45,0)
  body extent -0.52,-0.27 0.53,0.28, height 0.55
CAPC1005X61N [mm] "Capacitor, Non-Polarized, Chip; 1.02mm L X 0.51mm W X 0.61mm H, IPC Medium Density"
  rect 0.65x0.65 smd: 1(-0.46,0) 2(0.46,0)
  body extent -0.56,-0.3 0.56,0.31, height 0.61